# KiCad board alana-kb.kicad_pcb (continued)
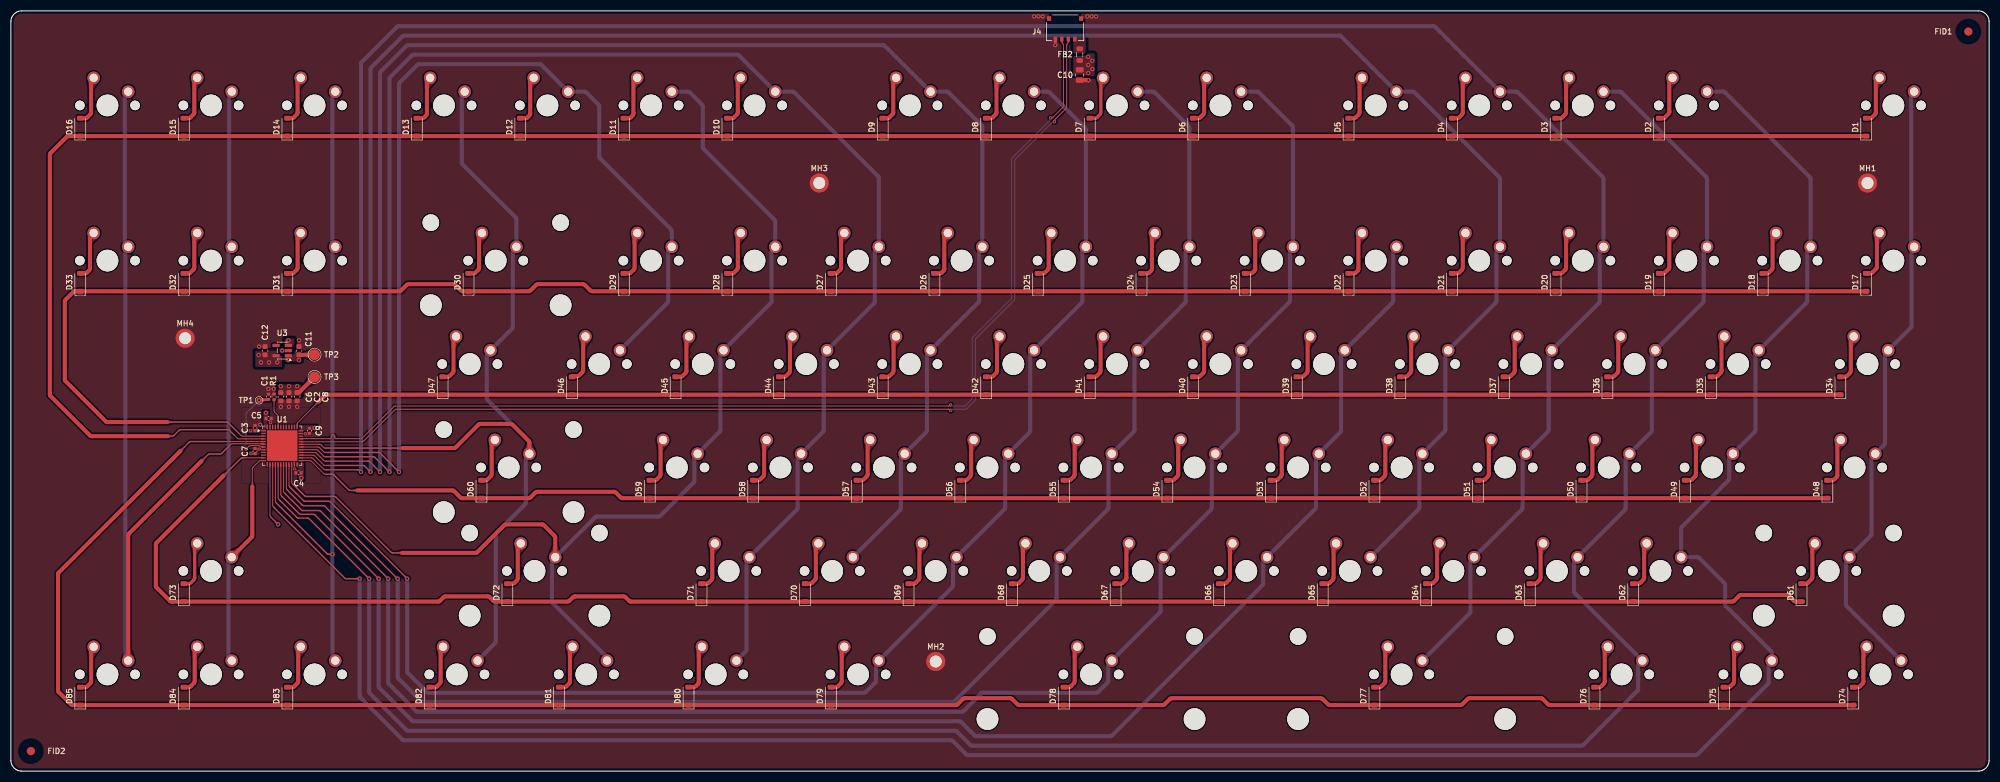
[diagram p0: board, top side]
## Routing (per net, layer and track width the routed paths; a pad name or vN(x,y) marks a point on that pad's centre or on a via; arc(x,y) is an arc through that point) (continued)
Net-(D47-A): length 9
  Top w0.75: MX47.2 81.59,79.72 arc(81.48,79.56) 81.44,79.37 81.44,73.69 arc(81.41,73.5) 81.3,73.34 80.72,72.76 arc(80.56,72.65) 80.37,72.61 79.45,72.61
Net-(D48-A): length 9
  Top w0.75: D48.2 335.14,53.56 arc(335.33,53.6) 335.5,53.71 335.93,54.14 arc(336.04,54.3) 336.07,54.49 336.07,60.16 arc(336.11,60.35) 336.22,60.51 MX48.2
Net-(D49-A): length 9
  Top w0.75: D49.2 308.97,53.56 arc(309.16,53.6) 309.32,53.71 309.9,54.29 arc(310.01,54.45) 310.04,54.64 310.04,60.32 arc(310.08,60.51) 310.19,60.67 MX49.2
Net-(D50-A): length 9
  Top w0.75: D50.2 289.92,53.56 arc(290.11,53.6) 290.27,53.71 290.85,54.29 arc(290.96,54.45) 290.99,54.64 290.99,60.32 arc(291.03,60.51) 291.14,60.67 MX50.2
Net-(D51-A): length 9
  Top w0.75: 272.41,60.99 272.09,60.67 arc(271.98,60.51) 271.94,60.32 271.94,54.64 arc(271.91,54.45) 271.8,54.29 271.22,53.71 arc(271.06,53.6) 270.87,53.56 D51.2
Net-(D52-A): length 9
  Top w0.75: MX52.2 253.04,60.67 arc(252.93,60.51) 252.89,60.32 252.89,54.64 arc(252.86,54.45) 252.75,54.29 252.17,53.71 arc(252.01,53.6) 251.82,53.56 D52.2
Net-(D53-A): length 9
  Top w0.75: D53.2 232.77,53.56 arc(232.96,53.6) 233.12,53.71 233.7,54.29 arc(233.81,54.45) 233.84,54.64 233.84,60.32 arc(233.88,60.51) 233.99,60.67 MX53.2
Net-(D54-A): length 9
  Top w0.75: MX54.2 214.94,60.67 arc(214.83,60.51) 214.79,60.32 214.79,54.64 arc(214.76,54.45) 214.65,54.29 214.07,53.71 arc(213.91,53.6) 213.72,53.56 D54.2
Net-(D55-A): length 9
  Top w0.75: D55.2 194.67,53.56 arc(194.86,53.6) 195.02,53.71 195.6,54.29 arc(195.71,54.45) 195.74,54.64 195.74,60.32 arc(195.78,60.51) 195.89,60.67 MX55.2
Net-(D56-A): length 9
  Top w0.75: MX56.2 176.84,60.67 arc(176.73,60.51) 176.69,60.32 176.69,54.64 arc(176.66,54.45) 176.55,54.29 175.97,53.71 arc(175.81,53.6) 175.62,53.56 D56.2
Net-(D57-A): length 9
  Top w0.75: D57.2 156.57,53.56 arc(156.76,53.6) 156.92,53.71 157.5,54.29 arc(157.61,54.45) 157.64,54.64 157.64,60.32 arc(157.68,60.51) 157.79,60.67 MX57.2
Net-(D58-A): length 9
  Top w0.75: 139.06,60.99 138.74,60.67 arc(138.63,60.51) 138.59,60.32 138.59,54.64 arc(138.56,54.45) 138.45,54.29 137.87,53.71 arc(137.71,53.6) 137.52,53.56 D58.2
Net-(D59-A): length 9
  Top w0.75: MX59.2 119.69,60.67 arc(119.58,60.51) 119.54,60.32 119.54,54.64 arc(119.51,54.45) 119.4,54.29 118.82,53.71 arc(118.66,53.6) 118.47,53.56 D59.2
Net-(D60-A): length 8.9
  Top w0.75: MX60.2 88.62,60.56 arc(88.51,60.4) 88.47,60.21 88.47,54.69 arc(88.44,54.5) 88.33,54.34 87.7,53.71 arc(87.53,53.6) 87.34,53.56 D60.2
Net-(D61-A): length 9
  Top w0.75: MX61.2 331.62,41.62 arc(331.51,41.46) 331.47,41.27 331.47,35.69 arc(331.44,35.5) 331.33,35.34 330.65,34.66 arc(330.48,34.55) 330.29,34.51 D61.2
Net-(D62-A): length 9
  Top w0.75: D62.2 299.44,34.51 arc(299.63,34.55) 299.8,34.66 300.37,35.24 arc(300.48,35.4) 300.52,35.59 300.52,41.27 arc(300.56,41.46) 300.67,41.62 MX62.2
Net-(D63-A): length 9
  Top w0.75: MX63.2 281.62,41.62 arc(281.51,41.46) 281.47,41.27 281.47,35.59 arc(281.43,35.4) 281.32,35.24 280.75,34.66 arc(280.58,34.55) 280.39,34.51 D63.2
Net-(D64-A): length 9
  Top w0.75: MX64.2 262.57,41.62 arc(262.46,41.46) 262.42,41.27 262.42,35.59 arc(262.38,35.4) 262.27,35.24 261.7,34.66 arc(261.53,34.55) 261.34,34.51 D64.2
Net-(D65-A): length 9
  Top w0.75: D65.2 242.29,34.51 arc(242.48,34.55) 242.65,34.66 243.22,35.24 arc(243.33,35.4) 243.37,35.59 243.37,41.27 arc(243.41,41.46) 243.52,41.62 MX65.2
Net-(D66-A): length 9
  Top w0.75: MX66.2 224.47,41.62 arc(224.36,41.46) 224.32,41.27 224.32,35.59 arc(224.28,35.4) 224.17,35.24 223.6,34.66 arc(223.43,34.55) 223.24,34.51 D66.2
Net-(D67-A): length 9
  Top w0.75: MX67.2 205.42,41.62 arc(205.31,41.46) 205.27,41.27 205.27,35.59 arc(205.23,35.4) 205.12,35.24 204.55,34.66 arc(204.38,34.55) 204.19,34.51 D67.2
Net-(D68-A): length 9
  Top w0.75: MX68.2 186.37,41.62 arc(186.26,41.46) 186.22,41.27 186.22,35.59 arc(186.18,35.4) 186.07,35.24 185.5,34.66 arc(185.33,34.55) 185.14,34.51 D68.2
Net-(D69-A): length 9
  Top w0.75: D69.2 166.09,34.51 arc(166.28,34.55) 166.45,34.66 167.02,35.24 arc(167.13,35.4) 167.17,35.59 167.17,41.27 arc(167.21,41.46) 167.32,41.62 MX69.2
Net-(D70-A): length 9
  Top w0.75: MX70.2 148.27,41.62 arc(148.16,41.46) 148.12,41.27 148.12,35.59 arc(148.08,35.4) 147.97,35.24 147.4,34.66 arc(147.23,34.55) 147.04,34.51 D70.2
Net-(D71-A): length 9
  Top w0.75: D71.2 127.99,34.51 arc(128.18,34.55) 128.35,34.66 128.92,35.24 arc(129.03,35.4) 129.07,35.59 129.07,41.27 arc(129.11,41.46) 129.22,41.62 MX71.2
Net-(D72-A): length 9.1
  Top w0.75: D72.2 92.29,34.51 arc(92.48,34.55) 92.65,34.66 93.13,35.14 arc(93.24,35.3) 93.27,35.49 93.27,41.19 arc(93.31,41.39) 93.42,41.55 MX72.2
Net-(D73-A): length 9
  Top w0.6: MX73.2 33.97,41.62 arc(33.86,41.46) 33.82,41.27 33.82,35.59 arc(33.78,35.4) 33.67,35.24 33.1,34.66 arc(32.93,34.55) 32.74,34.51 D73.2
Net-(D74-A): length 9
  Top w0.75: D74.2 339.84,15.46 arc(340.03,15.5) 340.2,15.61 340.73,16.14 arc(340.84,16.3) 340.87,16.49 340.87,22.09 arc(340.91,22.29) 341.02,22.45 MX74.2
Net-(D75-A): length 9
  Top w0.75: MX75.2 317.22,22.46 arc(317.11,22.3) 317.07,22.11 317.07,16.49 arc(317.04,16.3) 316.93,16.14 316.4,15.61 arc(316.23,15.5) 316.04,15.46 D75.2
Net-(D76-A): length 9
  Top w0.75: MX76.2 293.42,22.47 arc(293.31,22.31) 293.27,22.12 293.27,16.49 arc(293.24,16.3) 293.13,16.14 292.6,15.61 arc(292.43,15.5) 292.24,15.46 D76.2
Net-(D77-A): length 9
  Top w0.75: MX77.2 253.04,22.57 arc(252.93,22.41) 252.89,22.22 252.89,16.54 arc(252.86,16.35) 252.75,16.19 252.17,15.61 arc(252.01,15.5) 251.82,15.46 D77.2
Net-(D78-A): length 9
  Top w0.75: MX78.2 195.89,22.57 arc(195.78,22.41) 195.74,22.22 195.74,16.54 arc(195.71,16.35) 195.6,16.19 195.02,15.61 arc(194.86,15.5) 194.67,15.46 D78.2
Net-(D79-A): length 9
  Top w0.75: D79.2 151.8,15.46 arc(152,15.5) 152.16,15.61 152.74,16.19 arc(152.84,16.35) 152.88,16.54 152.88,22.22 arc(152.92,22.41) 153.03,22.57 MX79.2
Net-(D80-A): length 9.1
  Top w0.75: MX80.2 126.72,22.46 arc(126.61,22.3) 126.57,22.11 126.57,16.39 arc(126.54,16.2) 126.43,16.04 126,15.61 arc(125.83,15.5) 125.64,15.46 D80.2
Net-(D81-A): length 9.1
  Top w0.75: D81.2 101.84,15.46 arc(102.03,15.5) 102.2,15.61 102.73,16.14 arc(102.84,16.3) 102.87,16.49 102.87,22.22 arc(102.91,22.41) 103.02,22.57 MX81.2
Net-(D82-A): length 9.1
  Top w0.75: D82.2 78.04,15.46 arc(78.23,15.5) 78.4,15.61 78.93,16.14 arc(79.04,16.3) 79.07,16.49 79.07,22.23 arc(79.11,22.42) 79.22,22.58 MX82.2
Net-(D83-A): length 9
  Top w0.75: MX83.2 53.02,22.57 arc(52.91,22.41) 52.87,22.22 52.87,16.54 arc(52.83,16.35) 52.72,16.19 52.15,15.61 arc(51.98,15.5) 51.79,15.46 D83.2
Net-(D84-A): length 9
  Top w0.75: D84.2 32.74,15.46 arc(32.93,15.5) 33.1,15.61 33.67,16.19 arc(33.78,16.35) 33.82,16.54 33.82,22.22 arc(33.86,22.41) 33.97,22.57 MX84.2
Net-(D85-A): length 9
  Top w0.75: MX85.2 14.92,22.57 arc(14.81,22.41) 14.77,22.22 14.77,16.54 arc(14.73,16.35) 14.62,16.19 14.05,15.61 arc(13.88,15.5) 13.69,15.46 D85.2

## Copper pours and planes (outline as drawn; the poured copper is in the pictures)
/Power Supply/3V3 on Top: 48.92,71.19 48.92,68.94 53.42,68.94 53.42,71.19
/Power Supply/3V3 on Top: 46.92,58.94 46.92,58.44 45.67,58.44 45.67,58.19 43.92,58.19 43.92,58.94
/Power Supply/3V3 on Top: 52.92,62.69 56.32,62.69 56.32,63.69 52.92,63.69
/Power Supply/3V3 on Top: 46.42,66.39 46.42,62.94 47.42,62.94 47.42,66.39
/Power Supply/3V3 on Top: 44.99,77.44 49.9,77.43 49.9,74.43 44.99,74.44
/Power Supply/3V3 on Top: 52.42,56.94 52.42,55.94 52.92,55.94 52.92,53.54 53.92,53.54 53.92,56.94
/Power Supply/3V3 on Top: 46.92,62.29 46.92,63.04 43.72,63.04 43.72,62.29
/Power Supply/3V3 on In2.Cu: 40.67,77.19 58.67,77.19 58.67,52.69 40.67,52.69
/Power Supply/5V0 on Top: 50.42,79.69 53.42,79.69 53.42,75.44 50.42,75.44
/Power Supply/5V0 on Top: 195.48,132.19 195.48,127.94 199.42,127.94 199.42,132.19
/Power Supply/5V0 on In2.Cu: 50.37,75.24 58.67,75.24 58.67,141.69 40.67,141.69 40.67,77.24 50.37,77.24
/Power Supply/5V0 on In2.Cu: 40.84,141.64 40.84,130.09 199.77,130.09 199.77,141.64
/USB C/VBUS on Top: 195.48,135.24 195.48,132.19 197.77,132.19 197.77,135.24
GND on Top: 42.47,66.99 56.92,66.99 56.92,52.94 42.47,52.94
GND on Top: 49.42,77.94 49.42,76.94 51.67,76.94 51.67,77.94
GND on Top, Bottom, In1.Cu, In2.Cu: -1.28,141.64 365.44,141.64 365.44,-1.24 -1.28,-1.24

Small or netless copper shapes (teardrops, artwork), in the pictures only: 416 on Top, 150 on Bottom, 1 on In2.Cu
